# Altium PCB mantarray_beta2_sensor_arrayed.PcbDoc (part 14 of 14)
Units mil, origin at the board's own origin, x right, y up, seen from the top; angles counter-clockwise.
Board outline 6232.47 x 10167.51 mil, 8 copper layers (Layer1_Top, Layer2_sig1, Layer3_AVDD_PLANE, Layer4_GND_PLANE, Layer5_DVDD_PLANE, Layer6_BUS, Layer7_sig2, Layer8_BOT), stack 50.224 mil thick; 470 components, 492 nets, 4650 pads, 3798 vias.
Unrouted connection lines stored in the file: 3.
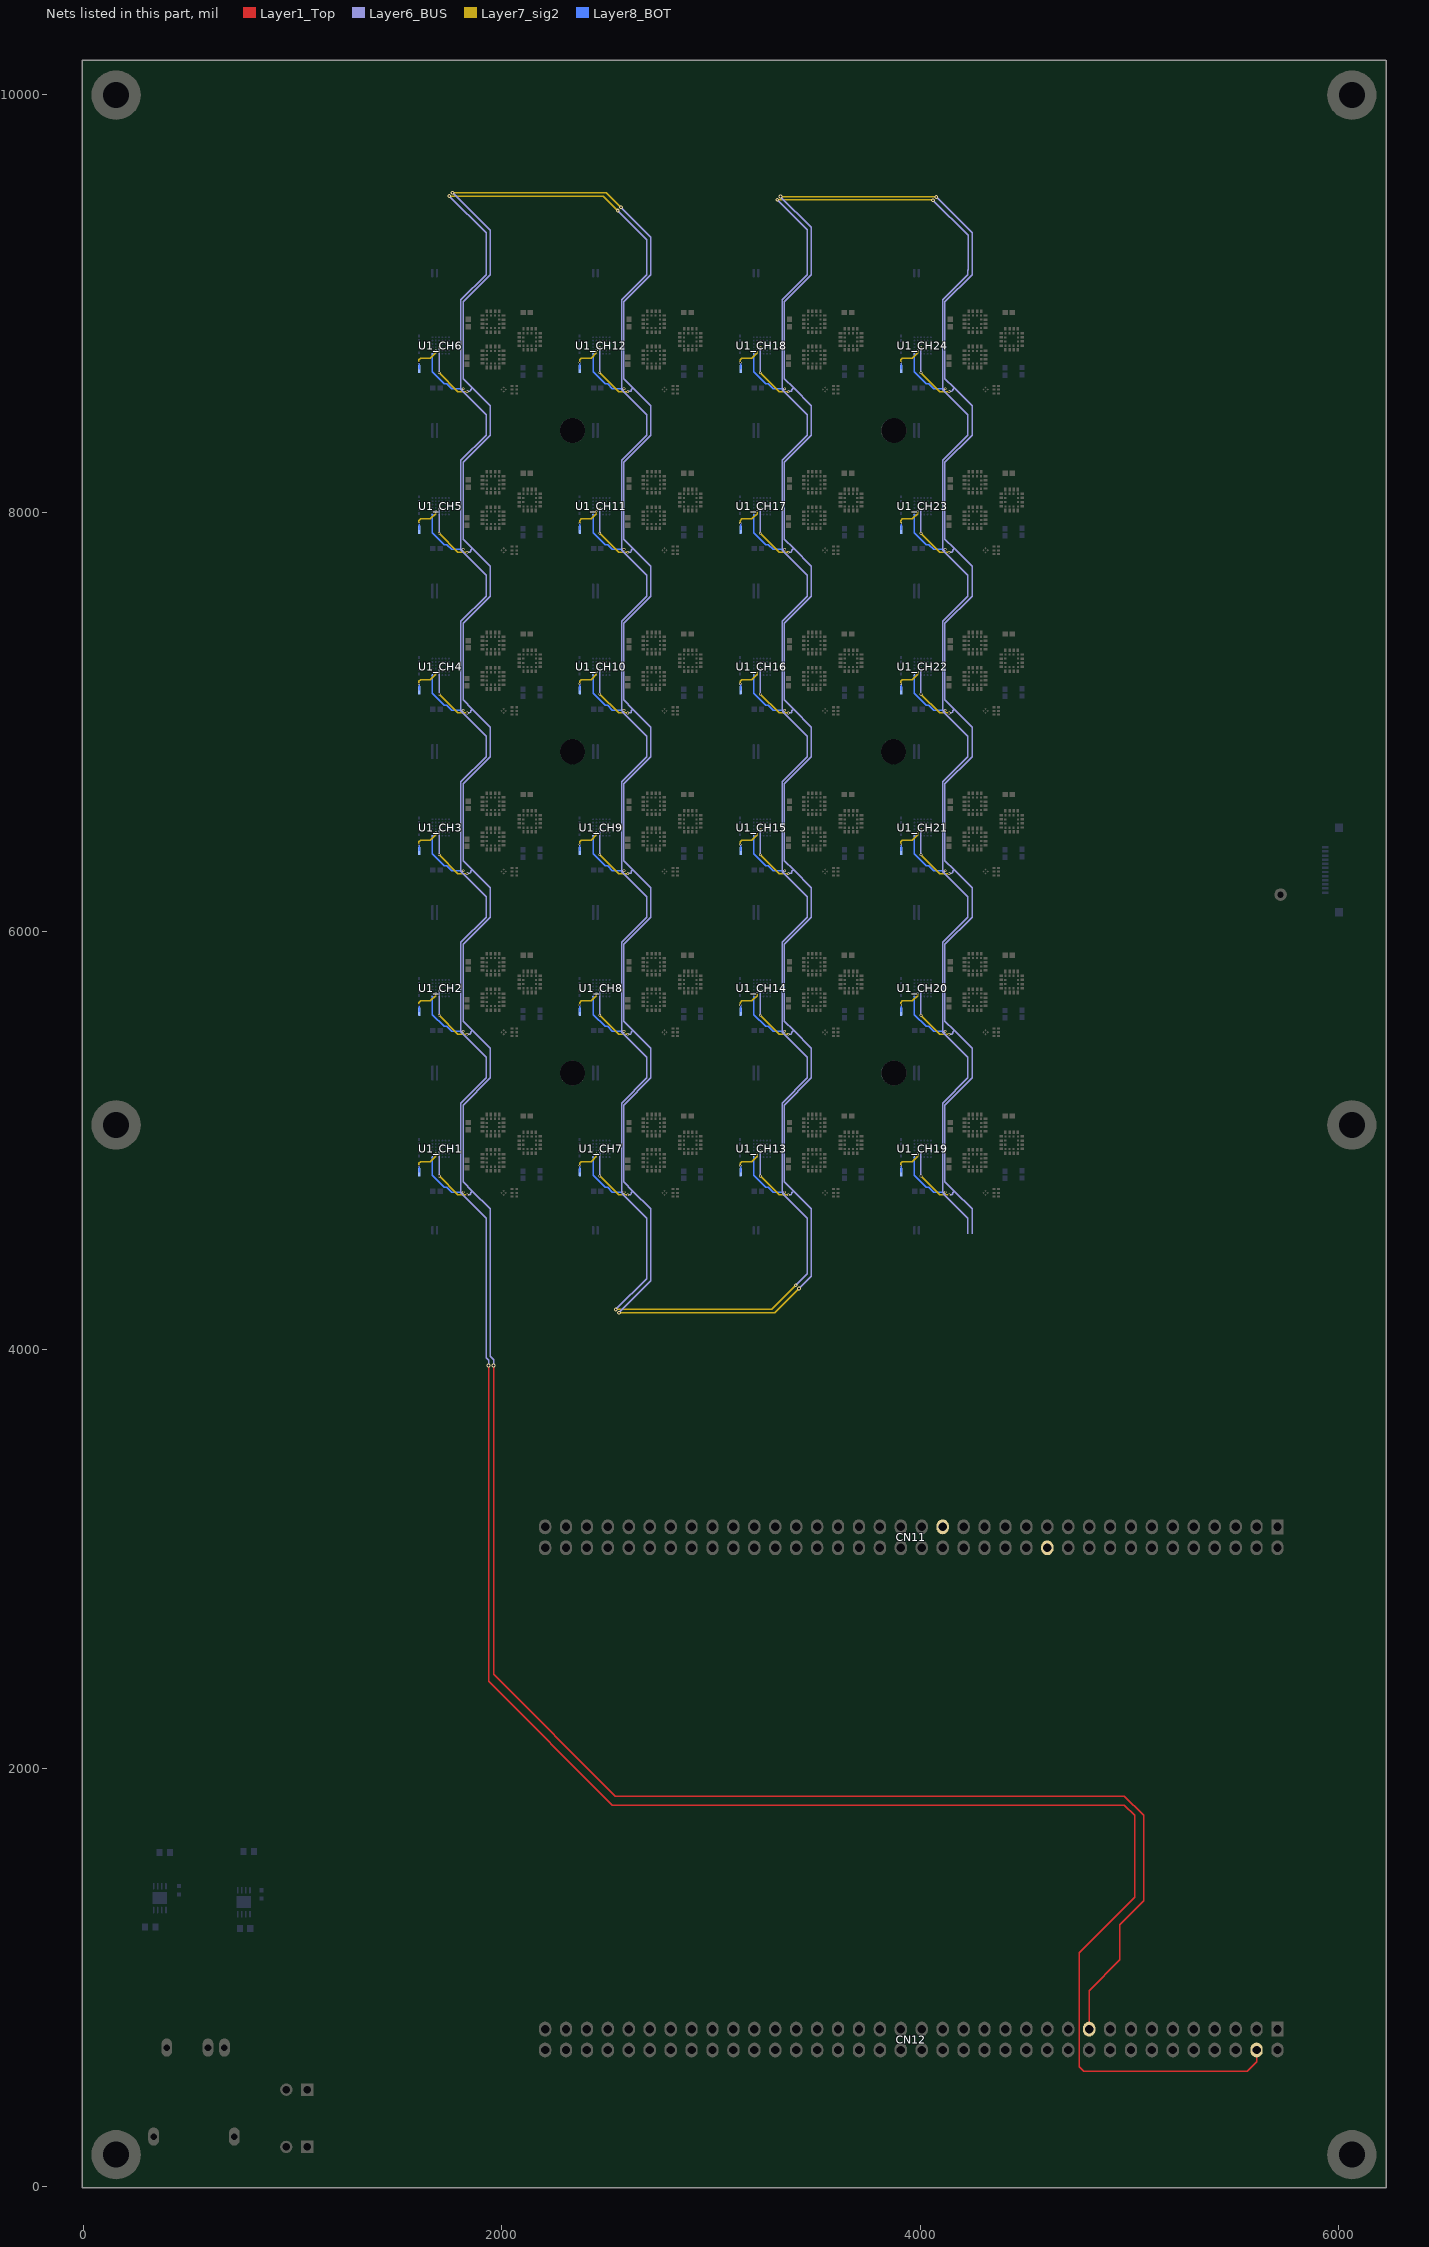
[diagram p20: the nets of this part, all layers, seen from the top]

## Via types
v1: diameter 12/12/12/12/12 (per signal layer), hole 7.87, Layer1_Top to Layer8_BOT, 2208 vias
v2: diameter 32, hole 20, Layer1_Top to Layer8_BOT, 815 vias
v3: diameter 10/10/10/10/10 (per signal layer), hole 7.87, Layer1_Top to Layer8_BOT, 456 vias
v4: diameter 18, hole 8, Layer6_BUS to Layer7_sig2, 102 vias
v5: diameter 10/10 (per signal layer), hole 7.87, Layer7_sig2 to Layer8_BOT, 96 vias
v6: diameter 18, hole 16, Layer1_Top to Layer8_BOT, 57 vias
v7: diameter 12, hole 7.87, Layer1_Top to Layer8_BOT, 26 vias
v8: diameter 18, hole 8, Layer1_Top to Layer8_BOT, 17 vias
v9: diameter 32, hole 16, Layer1_Top to Layer8_BOT, 10 vias
v10: diameter 19.68, hole 7.87, Layer1_Top to Layer8_BOT, 4 vias
v11: diameter 30, hole 20, Layer1_Top to Layer8_BOT, 3 vias
v12: diameter 70.87, hole 47.24, Layer1_Top to Layer8_BOT, 2 vias
v13: diameter 20, hole 16, Layer3_AVDD_PLANE to Layer8_BOT, 1 vias
v14: diameter 20, hole 16, Layer5_DVDD_PLANE to Layer8_BOT, 1 vias

## Nets (pads, with @x,y where several pads share a name; then routed paths per layer and width w, separated by ;. In a path a pad name is that pad's centre, name@x,y a point inside that pad or via, vN(x,y) a via of type N, cw(c..) or ccw(c..) an arc to the next point about the centre after c; other vN are vias at no path point) (continued)
TIMER_SYNC_0: CN12.4 pad.5@1925.2,4557.09 pad.5@1925.2,5320.87 pad.5@1925.2,5324.8 pad.5@1925.2,6088.58 pad.5@1925.2,6092.52 pad.5@1925.2,6856.3 pad.5@1925.2,6860.24 pad.5@1925.2,7624.02 pad.5@1925.2,7627.95 pad.5@1925.2,8391.73 pad.5@1925.2,8395.67 pad.5@1925.2,9159.45 pad.5@2692.91,4557.09 pad.5@2692.91,5320.87 pad.5@2692.91,5324.8 pad.5@2692.91,6088.58 pad.5@2692.91,6092.52 pad.5@2692.91,6856.3 pad.5@2692.91,6860.24 pad.5@2692.91,7624.02 pad.5@2692.91,7627.95 pad.5@2692.91,8391.73 pad.5@2692.91,8395.67 pad.5@2692.91,9159.45 pad.5@3460.63,4557.09 pad.5@3460.63,5320.87 pad.5@3460.63,5324.8 pad.5@3460.63,6088.58 pad.5@3460.63,6092.52 pad.5@3460.63,6856.3 pad.5@3460.63,6860.24 pad.5@3460.63,7624.02 pad.5@3460.63,7627.95 pad.5@3460.63,8391.73 pad.5@3460.63,8395.67 pad.5@3460.63,9159.45 pad.5@4228.35,4557.09 pad.5@4228.35,5320.87 pad.5@4228.35,5324.8 pad.5@4228.35,6088.58 pad.5@4228.35,6092.52 pad.5@4228.35,6856.3 pad.5@4228.35,6860.24 pad.5@4228.35,7624.02 pad.5@4228.35,7627.95 pad.5@4228.35,8391.73 pad.5@4228.35,8395.67 pad.5@4228.35,9159.45 U1_CH1.F6 U1_CH2.F6 U1_CH3.F6 U1_CH4.F6 U1_CH5.F6 U1_CH6.F6 U1_CH7.F6 U1_CH8.F6 U1_CH9.F6 U1_CH10.F6 U1_CH11.F6 U1_CH12.F6 U1_CH13.F6 U1_CH14.F6 U1_CH15.F6 U1_CH16.F6 U1_CH17.F6 U1_CH18.F6 U1_CH19.F6 U1_CH20.F6 U1_CH21.F6 U1_CH22.F6 U1_CH23.F6 U1_CH24.F6 | length 40010.3
  Layer1_Top w6: v8(1937.29,3925.2) 1937.29,2415.4 2528.36,1824.33 4976.38,1824.33 5025.12,1775.59 5026.01,1775.59 5026.01,1384.28 4759.84,1118.11 4759.84,574.8 4781.5,553.15 5562.99,553.15 5607.48,597.64 CN12.4@5607.48,653.94
  Layer6_BUS w6: v4(1749.86,9513.64) 1925.2,9338.3 pad.5@1925.2,9159.45 ; v1(1816.93,4753.94) 1810.04,4747.05 1808.07,4747.05 ; v1(1816.93,5521.65) 1810.04,5514.76 1808.07,5514.76 ; v1(1816.93,6289.37) 1810.04,6282.48 1808.07,6282.48 ; v1(1816.93,7057.09) 1810.04,7050.2 1808.07,7050.2 ; v1(1816.93,7824.8) 1810.04,7817.91 1808.07,7817.91 ; v1(1816.93,8592.52) 1810.04,8585.63 1808.07,8585.63 ; pad.5@1925.2,4555.12 1925.2,4629.92 1808.07,4747.05 ; pad.5@1925.2,4557.09 1925.2,3962.6 1937.29,3950.5 v8(1937.29,3925.2) ; pad.5@1925.2,9161.42 pad.5@1925.2,9159.45 ; v4(2545.14,4193.05) 2692.91,4340.83 pad.5@2692.91,4557.09 ; v4(2554.41,9444.17) 2692.91,9305.67 pad.5@2692.91,9159.45 ; v1(2584.65,4753.94) 2577.76,4747.05 2575.79,4747.05 ; v1(2584.65,5521.65) 2577.76,5514.76 2575.79,5514.76 ; v1(2584.65,6289.37) 2577.76,6282.48 2575.79,6282.48 ; v1(2584.65,7057.09) 2577.76,7050.2 2575.79,7050.2 ; v1(2584.65,7824.8) 2577.76,7817.91 2575.79,7817.91 ; v1(2584.65,8592.52) 2577.76,8585.63 2575.79,8585.63 ; pad.5@2692.91,4555.12 2692.91,4629.92 2575.79,4747.05 ; pad.5@2692.91,9161.42 pad.5@2692.91,9159.45 ; v4(3316.79,9495.92) 3460.63,9352.08 pad.5@3460.63,9159.45 ; v1(3352.36,4753.94) 3345.47,4747.05 3343.5,4747.05 ; v1(3352.36,5521.65) 3345.47,5514.76 3343.5,5514.76 ; v1(3352.36,6289.37) 3345.47,6282.48 3343.5,6282.48 ; v1(3352.36,7057.09) 3345.47,7050.2 3343.5,7050.2 ; v1(3352.36,7824.8) 3345.47,7817.91 3343.5,7817.91 ; v1(3352.36,8592.52) 3345.47,8585.63 3343.5,8585.63 ; v4(3405.79,4308.78) 3460.63,4363.63 pad.5@3460.63,4557.09 ; pad.5@3460.63,4555.12 3460.63,4629.92 3343.5,4747.05 ; pad.5@3460.63,9161.42 pad.5@3460.63,9159.45 ; v4(4060.88,9493.95) 4228.63,9326.21 pad.5@4228.63,9159.73 ; v1(4120.08,4753.94) 4113.19,4747.05 4111.22,4747.05 ; v1(4120.08,5521.65) 4113.19,5514.76 4111.22,5514.76 ; v1(4120.08,6289.37) 4113.19,6282.48 4111.22,6282.48 ; v1(4120.08,7057.09) 4113.19,7050.2 4111.22,7050.2 ; v1(4120.08,7824.8) 4113.19,7817.91 4111.22,7817.91 ; v1(4120.08,8592.52) 4113.19,8585.63 4111.22,8585.63 ; pad.5@4228.35,4555.12 4228.35,4629.92 4111.22,4747.05 ; pad.5@4228.35,9161.42 pad.5@4228.35,9159.45 4228.35,9137.8 4108.43,9017.87 4108.43,8588.43 4111.22,8585.63 ; 1808.07,4747.05 1805.28,4749.84 1805.28,5179.29 1925.2,5299.21 pad.5@1925.2,5320.87 1925.2,5322.83 1925.2,5397.64 1808.07,5514.76 ; 1808.07,5514.76 1805.28,5517.56 1805.28,5947.01 1925.2,6066.93 pad.5@1925.2,6088.58 1925.2,6090.55 1925.2,6165.35 1808.07,6282.48 ; 1808.07,6282.48 1805.28,6285.28 1805.28,6714.72 1925.2,6834.65 pad.5@1925.2,6856.3 1925.2,6858.27 1925.2,6933.07 1808.07,7050.2 ; 1808.07,7050.2 1805.28,7052.99 1805.28,7482.44 1925.2,7602.36 pad.5@1925.2,7624.02 1925.2,7625.98 1925.2,7700.79 1808.07,7817.91 ; 1808.07,7817.91 1805.28,7820.71 1805.28,8250.16 1925.2,8370.08 pad.5@1925.2,8391.73 1925.2,8393.7 1925.2,8468.5 1808.07,8585.63 ; 1808.07,8585.63 1805.28,8588.43 1805.28,9017.87 1925.2,9137.8 pad.5@1925.2,9159.45 ; 2575.79,4747.05 2572.99,4749.84 2572.99,5179.29 2692.91,5299.21 pad.5@2692.91,5320.87 2692.91,5322.83 2692.91,5397.64 2575.79,5514.76 ; 2575.79,5514.76 2572.99,5517.56 2572.99,5947.01 2692.91,6066.93 pad.5@2692.91,6088.58 2692.91,6090.55 2692.91,6165.35 2575.79,6282.48 ; 2575.79,6282.48 2572.99,6285.28 2572.99,6714.72 2692.91,6834.65 pad.5@2692.91,6856.3 2692.91,6858.27 2692.91,6933.07 2575.79,7050.2 ; 2575.79,7050.2 2572.99,7052.99 2572.99,7482.44 2692.91,7602.36 pad.5@2692.91,7624.02 2692.91,7625.98 2692.91,7700.79 2575.79,7817.91 ; 2575.79,7817.91 2572.99,7820.71 2572.99,8250.16 2692.91,8370.08 pad.5@2692.91,8391.73 2692.91,8393.7 2692.91,8468.5 2575.79,8585.63 ; 2575.79,8585.63 2572.99,8588.43 2572.99,9017.87 2692.91,9137.8 pad.5@2692.91,9159.45 ; 3343.5,4747.05 3340.71,4749.84 3340.71,5179.29 3460.63,5299.21 pad.5@3460.63,5320.87 3460.63,5322.83 3460.63,5397.64 3343.5,5514.76 ; 3343.5,5514.76 3340.71,5517.56 3340.71,5947.01 3460.63,6066.93 pad.5@3460.63,6088.58 3460.63,6090.55 3460.63,6165.35 3343.5,6282.48 ; 3343.5,6282.48 3340.71,6285.28 3340.71,6714.72 3460.63,6834.65 pad.5@3460.63,6856.3 3460.63,6858.27 3460.63,6933.07 3343.5,7050.2 ; 3343.5,7050.2 3340.71,7052.99 3340.71,7482.44 3460.63,7602.36 pad.5@3460.63,7624.02 3460.63,7625.98 3460.63,7700.79 3343.5,7817.91 ; 3343.5,7817.91 3340.71,7820.71 3340.71,8250.16 3460.63,8370.08 pad.5@3460.63,8391.73 3460.63,8393.7 3460.63,8468.5 3343.5,8585.63 ; 3343.5,8585.63 3340.71,8588.43 3340.71,9017.87 3460.63,9137.8 pad.5@3460.63,9159.45 ; 4111.22,4747.05 4108.43,4749.84 4108.43,5179.29 4228.35,5299.21 pad.5@4228.35,5320.87 4228.35,5322.83 4228.35,5397.64 4111.22,5514.76 ; 4111.22,5514.76 4108.43,5517.56 4108.43,5947.01 4228.35,6066.93 pad.5@4228.35,6088.58 4228.35,6090.55 4228.35,6165.35 4111.22,6282.48 ; 4111.22,6282.48 4108.43,6285.28 4108.43,6714.72 4228.35,6834.65 pad.5@4228.35,6856.3 4228.35,6858.27 4228.35,6933.07 4111.22,7050.2 ; 4111.22,7050.2 4108.43,7052.99 4108.43,7482.44 4228.35,7602.36 pad.5@4228.35,7624.02 4228.35,7625.98 4228.35,7700.79 4111.22,7817.91 ; 4111.22,7817.91 4108.43,7820.71 4108.43,8250.16 4228.35,8370.08 pad.5@4228.35,8391.73 4228.35,8393.7 4228.35,8468.5 4111.22,8585.63
  Layer7_sig2 w6: v4(1749.86,9513.64) 1750.3,9513.2 1772.04,9513.2 1772.49,9513.64 2484.94,9513.64 v4(2554.41,9444.17) ; v4(2545.14,4193.05) 2545.58,4193.5 2567.32,4193.5 2567.76,4193.05 3289.51,4193.05 3405.24,4308.78 v4(3405.79,4308.78) ; v4(3316.79,9495.92) 3317.23,9495.48 4059.36,9495.48 v4(4060.88,9493.95)
  Layer8_BOT w6: U1_CH1.F6@1669.29,4921.26 1669.29,4834.65 1726.38,4777.56 1738.19,4777.56 1761.81,4753.94 v1(1816.93,4753.94) ; U1_CH2.F6@1669.29,5688.98 1669.29,5602.36 1726.38,5545.28 1738.19,5545.28 1761.81,5521.65 v1(1816.93,5521.65) ; U1_CH3.F6@1669.29,6456.69 1669.29,6370.08 1726.38,6312.99 1738.19,6312.99 1761.81,6289.37 v1(1816.93,6289.37) ; U1_CH4.F6@1669.29,7224.41 1669.29,7137.8 1726.38,7080.71 1738.19,7080.71 1761.81,7057.09 v1(1816.93,7057.09) ; U1_CH5.F6@1669.29,7992.13 1669.29,7905.51 1726.38,7848.43 1738.19,7848.43 1761.81,7824.8 v1(1816.93,7824.8) ; U1_CH6.F6@1669.29,8759.84 1669.29,8673.23 1726.38,8616.14 1738.19,8616.14 1761.81,8592.52 v1(1816.93,8592.52) ; U1_CH7.F6@2437.01,4921.26 2437.01,4834.65 2494.09,4777.56 2505.91,4777.56 2529.53,4753.94 v1(2584.65,4753.94) ; U1_CH8.F6@2437.01,5688.98 2437.01,5602.36 2494.09,5545.28 2505.91,5545.28 2529.53,5521.65 v1(2584.65,5521.65) ; U1_CH9.F6@2437.01,6456.69 2437.01,6370.08 2494.09,6312.99 2505.91,6312.99 2529.53,6289.37 v1(2584.65,6289.37) ; U1_CH10.F6@2437.01,7224.41 2437.01,7137.8 2494.09,7080.71 2505.91,7080.71 2529.53,7057.09 v1(2584.65,7057.09) ; U1_CH11.F6@2437.01,7992.13 2437.01,7905.51 2494.09,7848.43 2505.91,7848.43 2529.53,7824.8 v1(2584.65,7824.8) ; U1_CH12.F6@2437.01,8759.84 2437.01,8673.23 2494.09,8616.14 2505.91,8616.14 2529.53,8592.52 v1(2584.65,8592.52) ; U1_CH13.F6@3204.72,4921.26 3204.72,4834.65 3261.81,4777.56 3273.62,4777.56 3297.24,4753.94 v1(3352.36,4753.94) ; U1_CH14.F6@3204.72,5688.98 3204.72,5602.36 3261.81,5545.28 3273.62,5545.28 3297.24,5521.65 v1(3352.36,5521.65) ; U1_CH15.F6@3204.72,6456.69 3204.72,6370.08 3261.81,6312.99 3273.62,6312.99 3297.24,6289.37 v1(3352.36,6289.37) ; U1_CH16.F6@3204.72,7224.41 3204.72,7137.8 3261.81,7080.71 3273.62,7080.71 3297.24,7057.09 v1(3352.36,7057.09) ; U1_CH17.F6@3204.72,7992.13 3204.72,7905.51 3261.81,7848.43 3273.62,7848.43 3297.24,7824.8 v1(3352.36,7824.8) ; U1_CH18.F6@3204.72,8759.84 3204.72,8673.23 3261.81,8616.14 3273.62,8616.14 3297.24,8592.52 v1(3352.36,8592.52) ; U1_CH19.F6@3972.44,4921.26 3972.44,4834.65 4029.53,4777.56 4041.34,4777.56 4064.96,4753.94 v1(4120.08,4753.94) ; U1_CH20.F6@3972.44,5688.98 3972.44,5602.36 4029.53,5545.28 4041.34,5545.28 4064.96,5521.65 v1(4120.08,5521.65) ; U1_CH21.F6@3972.44,6456.69 3972.44,6370.08 4029.53,6312.99 4041.34,6312.99 4064.96,6289.37 v1(4120.08,6289.37) ; U1_CH22.F6@3972.44,7224.41 3972.44,7137.8 4029.53,7080.71 4041.34,7080.71 4064.96,7057.09 v1(4120.08,7057.09) ; U1_CH23.F6@3972.44,7992.13 3972.44,7905.51 4029.53,7848.43 4041.34,7848.43 4064.96,7824.8 v1(4120.08,7824.8) ; U1_CH24.F6@3972.44,8759.84 3972.44,8673.23 4029.53,8616.14 4041.34,8616.14 4064.96,8592.52 v1(4120.08,8592.52)
TIMER_SYNC_1: CN12.19 pad.5@1944.88,4557.09 pad.5@1944.88,5320.87 pad.5@1944.88,5324.8 pad.5@1944.88,6088.58 pad.5@1944.88,6092.52 pad.5@1944.88,6856.3 pad.5@1944.88,6860.24 pad.5@1944.88,7624.02 pad.5@1944.88,7627.95 pad.5@1944.88,8391.73 pad.5@1944.88,8395.67 pad.5@1944.88,9159.45 pad.5@2712.6,4557.09 pad.5@2712.6,5320.87 pad.5@2712.6,5324.8 pad.5@2712.6,6088.58 pad.5@2712.6,6092.52 pad.5@2712.6,6856.3 pad.5@2712.6,6860.24 pad.5@2712.6,7624.02 pad.5@2712.6,7627.95 pad.5@2712.6,8391.73 pad.5@2712.6,8395.67 pad.5@2712.6,9159.45 pad.5@3480.32,4557.09 pad.5@3480.32,5320.87 pad.5@3480.32,5324.8 pad.5@3480.32,6088.58 pad.5@3480.32,6092.52 pad.5@3480.32,6856.3 pad.5@3480.32,6860.24 pad.5@3480.32,7624.02 pad.5@3480.32,7627.95 pad.5@3480.32,8391.73 pad.5@3480.32,8395.67 pad.5@3480.32,9159.45 pad.5@4248.03,4557.09 pad.5@4248.03,5320.87 pad.5@4248.03,5324.8 pad.5@4248.03,6088.58 pad.5@4248.03,6092.52 pad.5@4248.03,6856.3 pad.5@4248.03,6860.24 pad.5@4248.03,7624.02 pad.5@4248.03,7627.95 pad.5@4248.03,8391.73 pad.5@4248.03,8395.67 pad.5@4248.03,9159.45 U1_CH1.D4 U1_CH2.D4 U1_CH3.D4 U1_CH4.D4 U1_CH5.D4 U1_CH6.D4 U1_CH7.D4 U1_CH8.D4 U1_CH9.D4 U1_CH10.D4 U1_CH11.D4 U1_CH12.D4 U1_CH13.D4 U1_CH14.D4 U1_CH15.D4 U1_CH16.D4 U1_CH17.D4 U1_CH18.D4 U1_CH19.D4 U1_CH20.D4 U1_CH21.D4 U1_CH22.D4 U1_CH23.D4 U1_CH24.D4 | length 40441.3
  Layer1_Top w6: v8(1961.01,3925.2) 1961.01,2450.28 2543.56,1867.73 4976.38,1867.73 5066.55,1777.56 5069.32,1777.56 5069.32,1366.56 4954.72,1251.97 4954.72,1084.65 4807.48,937.4 CN12.19@4807.48,753.94
  Layer6_BUS w6: v1(1700.79,4830.71) v3(1700.79,4952.76) ; v1(1700.79,5598.43) v3(1700.79,5720.47) ; v1(1700.79,6366.14) v3(1700.79,6488.19) ; v1(1700.79,7133.86) v3(1700.79,7255.91) ; v1(1700.79,7901.57) v3(1700.79,8023.62) ; v1(1700.79,8669.29) v3(1700.79,8791.34) ; v4(1765.42,9529.2) 1944.88,9349.73 pad.5@1944.88,9159.45 1944.88,9161.42 1944.88,9137.8 1815.28,9008.19 1815.28,8641.42 1859.53,8597.16 ; v1(1834.65,4740.16) 1835.76,4741.27 1847.99,4741.27 1851.51,4744.78 1851.51,4750.55 1859.53,4758.58 ; v1(1834.65,5507.87) 1835.76,5508.99 1847.99,5508.99 1851.51,5512.5 1851.51,5518.27 1859.53,5526.29 ; v1(1834.65,6275.59) 1835.76,6276.7 1847.99,6276.7 1851.51,6280.22 1851.51,6285.98 1859.53,6294.01 ; v1(1834.65,7043.31) 1835.76,7044.42 1847.99,7044.42 1851.51,7047.93 1851.51,7053.7 1859.53,7061.73 ; v1(1834.65,7811.02) 1835.76,7812.14 1847.99,7812.14 1851.51,7815.65 1851.51,7821.42 1859.53,7829.44 ; v1(1834.65,8578.74) 1835.76,8579.85 1847.99,8579.85 1851.51,8583.37 1851.51,8589.13 1859.53,8597.16 ; pad.5@1944.88,4555.12 1944.88,4673.23 1859.53,4758.58 ; pad.5@1944.88,4557.09 1944.88,3968.89 1961.01,3952.77 v8(1961.01,3925.2) ; pad.5@1944.88,5320.87 pad.5@1944.88,5322.83 ; pad.5@1944.88,6088.58 pad.5@1944.88,6090.55 ; pad.5@1944.88,6856.3 pad.5@1944.88,6858.27 ; pad.5@1944.88,7624.02 pad.5@1944.88,7625.98 ; pad.5@1944.88,8391.73 pad.5@1944.88,8393.7 ; v1(2468.5,4830.71) v3(2468.5,4952.76) ; v1(2468.5,5598.43) v3(2468.5,5720.47) ; v1(2468.5,6366.14) v3(2468.5,6488.19) ; v1(2468.5,7133.86) v3(2468.5,7255.91) ; v1(2468.5,7901.57) v3(2468.5,8023.62) ; v1(2468.5,8669.29) v3(2468.5,8791.34) ; v4(2560.69,4177.5) 2712.6,4329.4 pad.5@2712.6,4557.09 ; v4(2569.96,9459.73) 2712.6,9317.09 pad.5@2712.6,9159.45 2712.6,9161.42 2712.6,9137.8 2582.99,9008.19 2582.99,8641.42 2627.25,8597.16 ; v1(2602.36,4740.16) 2603.47,4741.27 2615.71,4741.27 2619.23,4744.78 2619.23,4750.55 2627.25,4758.58 ; v1(2602.36,5507.87) 2603.47,5508.99 2615.71,5508.99 2619.23,5512.5 2619.23,5518.27 2627.25,5526.29 ; v1(2602.36,6275.59) 2603.47,6276.7 2615.71,6276.7 2619.23,6280.22 2619.23,6285.98 2627.25,6294.01 ; v1(2602.36,7043.31) 2603.47,7044.42 2615.71,7044.42 2619.23,7047.93 2619.23,7053.7 2627.25,7061.73 ; v1(2602.36,7811.02) 2603.47,7812.14 2615.71,7812.14 2619.23,7815.65 2619.23,7821.42 2627.25,7829.44 ; v1(2602.36,8578.74) 2603.47,8579.85 2615.71,8579.85 2619.23,8583.37 2619.23,8589.13 2627.25,8597.16 ; pad.5@2712.6,4555.12 2712.6,4673.23 2627.25,4758.58 ; pad.5@2712.6,5320.87 pad.5@2712.6,5322.83 ; pad.5@2712.6,6088.58 pad.5@2712.6,6090.55 ; pad.5@2712.6,6856.3 pad.5@2712.6,6858.27 ; pad.5@2712.6,7624.02 pad.5@2712.6,7625.98 ; pad.5@2712.6,8391.73 pad.5@2712.6,8393.7 ; v1(3236.22,4830.71) v3(3236.22,4952.76) ; v1(3236.22,5598.43) v3(3236.22,5720.47) ; v1(3236.22,6366.14) v3(3236.22,6488.19) ; v1(3236.22,7133.86) v3(3236.22,7255.91) ; v1(3236.22,7901.57) v3(3236.22,8023.62) ; v1(3236.22,8669.29) v3(3236.22,8791.34) ; v4(3332.34,9511.48) 3480.32,9363.51 pad.5@3480.32,9159.45 3480.32,9161.42 3480.32,9137.8 3350.71,9008.19 3350.71,8641.42 3394.97,8597.16 ; v1(3370.08,4740.16) 3371.19,4741.27 3383.43,4741.27 3386.94,4744.78 3386.94,4750.55 3394.97,4758.58 ; v1(3370.08,5507.87) 3371.19,5508.99 3383.43,5508.99 3386.94,5512.5 3386.94,5518.27 3394.97,5526.29 ; v1(3370.08,6275.59) 3371.19,6276.7 3383.43,6276.7 3386.94,6280.22 3386.94,6285.98 3394.97,6294.01 ; v1(3370.08,7043.31) 3371.19,7044.42 3383.43,7044.42 3386.94,7047.93 3386.94,7053.7 3394.97,7061.73 ; v1(3370.08,7811.02) 3371.19,7812.14 3383.43,7812.14 3386.94,7815.65 3386.94,7821.42 3394.97,7829.44 ; v1(3370.08,8578.74) 3371.19,8579.85 3383.43,8579.85 3386.94,8583.37 3386.94,8589.13 3394.97,8597.16 ; v4(3421.34,4293.22) 3480.32,4352.2 pad.5@3480.32,4557.09 ; pad.5@3480.32,4555.12 3480.32,4673.23 3394.97,4758.58 ; pad.5@3480.32,5320.87 pad.5@3480.32,5322.83 ; pad.5@3480.32,6088.58 pad.5@3480.32,6090.55 ; pad.5@3480.32,6856.3 pad.5@3480.32,6858.27 ; pad.5@3480.32,7624.02 pad.5@3480.32,7625.98 ; pad.5@3480.32,8391.73 pad.5@3480.32,8393.7 ; v1(4003.94,4830.71) v3(4003.94,4952.76) ; v1(4003.94,5598.43) v3(4003.94,5720.47) ; v1(4003.94,6366.14) v3(4003.94,6488.19) ; v1(4003.94,7133.86) v3(4003.94,7255.91) ; v1(4003.94,7901.57) v3(4003.94,8023.62) ; v1(4003.94,8669.29) v3(4003.94,8791.34) ; v4(4076.44,9509.51) 4248.41,9337.54 pad.5@4248.41,9159.83 ; v1(4137.8,4740.16) 4138.91,4741.27 4151.14,4741.27 4154.66,4744.78 4154.66,4750.55 4162.68,4758.58 ; v1(4137.8,5507.87) 4138.91,5508.99 4151.14,5508.99 4154.66,5512.5 4154.66,5518.27 4162.68,5526.29 ; v1(4137.8,6275.59) 4138.91,6276.7 4151.14,6276.7 4154.66,6280.22 4154.66,6285.98 4162.68,6294.01 ; v1(4137.8,7043.31) 4138.91,7044.42 4151.14,7044.42 4154.66,7047.93 4154.66,7053.7 4162.68,7061.73 ; v1(4137.8,7811.02) 4138.91,7812.14 4151.14,7812.14 4154.66,7815.65 4154.66,7821.42 4162.68,7829.44 ; v1(4137.8,8578.74) 4138.91,8579.85 4151.14,8579.85 4154.66,8583.37 4154.66,8589.13 4162.68,8597.16 ; pad.5@4248.03,4555.12 4248.03,4673.23 4162.68,4758.58 ; pad.5@4248.03,5320.87 pad.5@4248.03,5322.83 ; pad.5@4248.03,6088.58 pad.5@4248.03,6090.55 ; pad.5@4248.03,6856.3 pad.5@4248.03,6858.27 ; pad.5@4248.03,7624.02 pad.5@4248.03,7625.98 ; pad.5@4248.03,8391.73 pad.5@4248.03,8393.7 ; pad.5@4248.03,9159.45 4248.03,9161.42 4248.03,9137.8 4118.43,9008.19 4118.43,8641.42 4162.68,8597.16 ; 1859.53,4758.58 1815.28,4802.83 1815.28,5169.61 1944.88,5299.21 pad.5@1944.88,5322.83 ; 1859.53,5526.29 1815.28,5570.55 1815.28,5937.32 1944.88,6066.93 pad.5@1944.88,6090.55 ; 1859.53,5526.29 1944.88,5440.95 pad.5@1944.88,5322.83 ; 1859.53,6294.01 1944.88,6208.66 pad.5@1944.88,6090.55 ; 1859.53,6294.01 1815.28,6338.27 1815.28,6705.04 1944.88,6834.65 pad.5@1944.88,6858.27 ; 1859.53,7061.73 1944.88,6976.38 pad.5@1944.88,6858.27 ; 1859.53,7061.73 1815.28,7105.98 1815.28,7472.76 1944.88,7602.36 pad.5@1944.88,7625.98 ; 1859.53,7829.44 1944.88,7744.09 pad.5@1944.88,7625.98 ; 1859.53,7829.44 1815.28,7873.7 1815.28,8240.47 1944.88,8370.08 pad.5@1944.88,8393.7 ; 1859.53,8597.16 1944.88,8511.81 pad.5@1944.88,8393.7 ; 2627.25,4758.58 2582.99,4802.83 2582.99,5169.61 2712.6,5299.21 pad.5@2712.6,5322.83 ; 2627.25,5526.29 2712.6,5440.95 pad.5@2712.6,5322.83 ; 2627.25,5526.29 2582.99,5570.55 2582.99,5937.32 2712.6,6066.93 pad.5@2712.6,6090.55 ; 2627.25,6294.01 2712.6,6208.66 pad.5@2712.6,6090.55 ; 2627.25,6294.01 2582.99,6338.27 2582.99,6705.04 2712.6,6834.65 pad.5@2712.6,6858.27 ; 2627.25,7061.73 2712.6,6976.38 pad.5@2712.6,6858.27 ; 2627.25,7061.73 2582.99,7105.98 2582.99,7472.76 2712.6,7602.36 pad.5@2712.6,7625.98 ; 2627.25,7829.44 2712.6,7744.09 pad.5@2712.6,7625.98 ; 2627.25,7829.44 2582.99,7873.7 2582.99,8240.47 2712.6,8370.08 pad.5@2712.6,8393.7 ; 2627.25,8597.16 2712.6,8511.81 pad.5@2712.6,8393.7 ; 3394.97,4758.58 3350.71,4802.83 3350.71,5169.61 3480.32,5299.21 pad.5@3480.32,5322.83 ; 3394.97,5526.29 3480.32,5440.95 pad.5@3480.32,5322.83 ; 3394.97,5526.29 3350.71,5570.55 3350.71,5937.32 3480.32,6066.93 pad.5@3480.32,6090.55 ; 3394.97,6294.01 3480.32,6208.66 pad.5@3480.32,6090.55 ; 3394.97,6294.01 3350.71,6338.27 3350.71,6705.04 3480.32,6834.65 pad.5@3480.32,6858.27 ; 3394.97,7061.73 3480.32,6976.38 pad.5@3480.32,6858.27 ; 3394.97,7061.73 3350.71,7105.98 3350.71,7472.76 3480.32,7602.36 pad.5@3480.32,7625.98 ; 3394.97,7829.44 3480.32,7744.09 pad.5@3480.32,7625.98 ; 3394.97,7829.44 3350.71,7873.7 3350.71,8240.47 3480.32,8370.08 pad.5@3480.32,8393.7 ; 3394.97,8597.16 3480.32,8511.81 pad.5@3480.32,8393.7 ; 4162.68,4758.58 4118.43,4802.83 4118.43,5169.61 4248.03,5299.21 pad.5@4248.03,5322.83 ; 4162.68,5526.29 4248.03,5440.95 pad.5@4248.03,5322.83 ; 4162.68,5526.29 4118.43,5570.55 4118.43,5937.32 4248.03,6066.93 pad.5@4248.03,6090.55 ; 4162.68,6294.01 4248.03,6208.66 pad.5@4248.03,6090.55 ; 4162.68,6294.01 4118.43,6338.27 4118.43,6705.04 4248.03,6834.65 pad.5@4248.03,6858.27 ; 4162.68,7061.73 4248.03,6976.38 pad.5@4248.03,6858.27 ; 4162.68,7061.73 4118.43,7105.98 4118.43,7472.76 4248.03,7602.36 pad.5@4248.03,7625.98 ; 4162.68,7829.44 4248.03,7744.09 pad.5@4248.03,7625.98 ; 4162.68,7829.44 4118.43,7873.7 4118.43,8240.47 4248.03,8370.08 pad.5@4248.03,8393.7 ; 4162.68,8597.16 4248.03,8511.81 pad.5@4248.03,8393.7
  Layer7_sig2 w6: v1(1700.79,4830.71) 1791.34,4740.16 v1(1834.65,4740.16) ; v1(1700.79,5598.43) 1791.34,5507.87 v1(1834.65,5507.87) ; v1(1700.79,6366.14) 1791.34,6275.59 v1(1834.65,6275.59) ; v1(1700.79,7133.86) 1791.34,7043.31 v1(1834.65,7043.31) ; v1(1700.79,7901.57) 1791.34,7811.02 v1(1834.65,7811.02) ; v1(1700.79,8669.29) 1791.34,8578.74 v1(1834.65,8578.74) ; v4(1765.42,9529.2) 1765.86,9528.75 1787.6,9528.75 1788.04,9529.2 2500.5,9529.2 v4(2569.96,9459.73) ; v1(2468.5,4830.71) 2559.06,4740.16 v1(2602.36,4740.16) ; v1(2468.5,5598.43) 2559.06,5507.87 v1(2602.36,5507.87) ; v1(2468.5,6366.14) 2559.06,6275.59 v1(2602.36,6275.59) ; v1(2468.5,7133.86) 2559.06,7043.31 v1(2602.36,7043.31) ; v1(2468.5,7901.57) 2559.06,7811.02 v1(2602.36,7811.02) ; v1(2468.5,8669.29) 2559.06,8578.74 v1(2602.36,8578.74) ; v4(2560.69,4177.5) 2561.14,4177.94 2582.88,4177.94 2583.32,4177.5 3305.61,4177.5 v4(3421.34,4293.22) ; v1(3236.22,4830.71) 3326.77,4740.16 v1(3370.08,4740.16) ; v1(3236.22,5598.43) 3326.77,5507.87 v1(3370.08,5507.87) ; v1(3236.22,6366.14) 3326.77,6275.59 v1(3370.08,6275.59) ; v1(3236.22,7133.86) 3326.77,7043.31 v1(3370.08,7043.31) ; v1(3236.22,7901.57) 3326.77,7811.02 v1(3370.08,7811.02) ; v1(3236.22,8669.29) 3326.77,8578.74 v1(3370.08,8578.74) ; v4(3332.34,9511.48) 3332.79,9511.04 4074.91,9511.04 v4(4076.44,9509.51) ; v1(4003.94,4830.71) 4094.49,4740.16 v1(4137.8,4740.16) ; v1(4003.94,5598.43) 4094.49,5507.87 v1(4137.8,5507.87) ; v1(4003.94,6366.14) 4094.49,6275.59 v1(4137.8,6275.59) ; v1(4003.94,7133.86) 4094.49,7043.31 v1(4137.8,7043.31) ; v1(4003.94,7901.57) 4094.49,7811.02 v1(4137.8,7811.02) ; v1(4003.94,8669.29) 4094.49,8578.74 v1(4137.8,8578.74)
uart1_tx_tp_CH1: pad.2@1606.3,4848.43 U1_CH1.E5 | length 150.2
  Layer7_sig2 w6: v3(1604.68,4879.92) 1604.68,4892.08 1612.2,4899.61 1659.45,4899.61 1685.04,4925.2 v3(1685.04,4937.01)
  Layer8_BOT w6: v3(1604.68,4879.92) 1604.68,4878.84 1606.3,4877.22 pad.2@1606.3,4848.43
uart1_tx_tp_CH2: pad.2@1606.3,5616.14 U1_CH2.E5 | length 150.2
  Layer7_sig2 w6: v3(1604.68,5647.64) 1604.68,5659.8 1612.2,5667.32 1659.45,5667.32 1685.04,5692.91 v3(1685.04,5704.72)
  Layer8_BOT w6: v3(1604.68,5647.64) 1604.68,5646.56 1606.3,5644.93 pad.2@1606.3,5616.14
uart1_tx_tp_CH3: pad.2@1606.3,6383.86 U1_CH3.E5 | length 150.2
  Layer7_sig2 w6: v3(1604.68,6415.35) 1604.68,6427.51 1612.2,6435.04 1659.45,6435.04 1685.04,6460.63 v3(1685.04,6472.44)
  Layer8_BOT w6: v3(1604.68,6415.35) 1604.68,6414.27 1606.3,6412.65 pad.2@1606.3,6383.86
uart1_tx_tp_CH4: pad.2@1606.3,7151.57 U1_CH4.E5 | length 150.2
  Layer7_sig2 w6: v3(1604.68,7183.07) 1604.68,7195.23 1612.2,7202.76 1659.45,7202.76 1685.04,7228.35 v3(1685.04,7240.16)
  Layer8_BOT w6: v3(1604.68,7183.07) 1604.68,7181.99 1606.3,7180.37 pad.2@1606.3,7151.57
uart1_tx_tp_CH5: pad.2@1606.3,7919.29 U1_CH5.E5 | length 150.2
  Layer7_sig2 w6: v3(1604.68,7950.79) 1604.68,7962.94 1612.2,7970.47 1659.45,7970.47 1685.04,7996.06 v3(1685.04,8007.87)
  Layer8_BOT w6: v3(1604.68,7950.79) 1604.68,7949.7 1606.3,7948.08 pad.2@1606.3,7919.29
uart1_tx_tp_CH6: pad.2@1606.3,8687.01 U1_CH6.E5 | length 150.2
  Layer7_sig2 w6: v3(1604.68,8718.5) 1604.68,8730.66 1612.2,8738.19 1659.45,8738.19 1685.04,8763.78 v3(1685.04,8775.59)
  Layer8_BOT w6: v3(1604.68,8718.5) 1604.68,8717.42 1606.3,8715.8 pad.2@1606.3,8687.01
uart1_tx_tp_CH7: pad.2@2374.02,4848.43 U1_CH7.E5 | length 150.2
  Layer7_sig2 w6: v3(2372.39,4879.92) 2372.39,4892.08 2379.92,4899.61 2427.17,4899.61 2452.76,4925.2 v3(2452.76,4937.01)
  Layer8_BOT w6: v3(2372.39,4879.92) 2372.39,4878.84 2374.02,4877.22 pad.2@2374.02,4848.43
uart1_tx_tp_CH8: pad.2@2374.02,5616.14 U1_CH8.E5 | length 150.2
  Layer7_sig2 w6: v3(2372.39,5647.64) 2372.39,5659.8 2379.92,5667.32 2427.17,5667.32 2452.76,5692.91 v3(2452.76,5704.72)
  Layer8_BOT w6: v3(2372.39,5647.64) 2372.39,5646.56 2374.02,5644.93 pad.2@2374.02,5616.14
uart1_tx_tp_CH9: pad.2@2374.02,6383.86 U1_CH9.E5 | length 150.2
  Layer7_sig2 w6: v3(2372.39,6415.35) 2372.39,6427.51 2379.92,6435.04 2427.17,6435.04 2452.76,6460.63 v3(2452.76,6472.44)
  Layer8_BOT w6: v3(2372.39,6415.35) 2372.39,6414.27 2374.02,6412.65 pad.2@2374.02,6383.86
uart1_tx_tp_CH10: pad.2@2374.02,7151.57 U1_CH10.E5 | length 150.2
  Layer7_sig2 w6: v3(2372.39,7183.07) 2372.39,7195.23 2379.92,7202.76 2427.17,7202.76 2452.76,7228.35 v3(2452.76,7240.16)
  Layer8_BOT w6: v3(2372.39,7183.07) 2372.39,7181.99 2374.02,7180.37 pad.2@2374.02,7151.57
uart1_tx_tp_CH11: pad.2@2374.02,7919.29 U1_CH11.E5 | length 150.2
  Layer7_sig2 w6: v3(2372.39,7950.79) 2372.39,7962.94 2379.92,7970.47 2427.17,7970.47 2452.76,7996.06 v3(2452.76,8007.87)
  Layer8_BOT w6: v3(2372.39,7950.79) 2372.39,7949.7 2374.02,7948.08 pad.2@2374.02,7919.29
uart1_tx_tp_CH12: pad.2@2374.02,8687.01 U1_CH12.E5 | length 150.2
  Layer7_sig2 w6: v3(2372.39,8718.5) 2372.39,8730.66 2379.92,8738.19 2427.17,8738.19 2452.76,8763.78 v3(2452.76,8775.59)
  Layer8_BOT w6: v3(2372.39,8718.5) 2372.39,8717.42 2374.02,8715.8 pad.2@2374.02,8687.01
uart1_tx_tp_CH13: pad.2@3141.73,4848.43 U1_CH13.E5 | length 150.2
  Layer7_sig2 w6: v3(3140.11,4879.92) 3140.11,4892.08 3147.64,4899.61 3194.88,4899.61 3220.47,4925.2 v3(3220.47,4937.01)
  Layer8_BOT w6: v3(3140.11,4879.92) 3140.11,4878.84 3141.73,4877.22 pad.2@3141.73,4848.43
uart1_tx_tp_CH14: pad.2@3141.73,5616.14 U1_CH14.E5 | length 150.2
  Layer7_sig2 w6: v3(3140.11,5647.64) 3140.11,5659.8 3147.64,5667.32 3194.88,5667.32 3220.47,5692.91 v3(3220.47,5704.72)
  Layer8_BOT w6: v3(3140.11,5647.64) 3140.11,5646.56 3141.73,5644.93 pad.2@3141.73,5616.14
uart1_tx_tp_CH15: pad.2@3141.73,6383.86 U1_CH15.E5 | length 150.2
  Layer7_sig2 w6: v3(3140.11,6415.35) 3140.11,6427.51 3147.64,6435.04 3194.88,6435.04 3220.47,6460.63 v3(3220.47,6472.44)
  Layer8_BOT w6: v3(3140.11,6415.35) 3140.11,6414.27 3141.73,6412.65 pad.2@3141.73,6383.86
uart1_tx_tp_CH16: pad.2@3141.73,7151.57 U1_CH16.E5 | length 150.2
  Layer7_sig2 w6: v3(3140.11,7183.07) 3140.11,7195.23 3147.64,7202.76 3194.88,7202.76 3220.47,7228.35 v3(3220.47,7240.16)
  Layer8_BOT w6: v3(3140.11,7183.07) 3140.11,7181.99 3141.73,7180.37 pad.2@3141.73,7151.57
uart1_tx_tp_CH17: pad.2@3141.73,7919.29 U1_CH17.E5 | length 150.2
  Layer7_sig2 w6: v3(3140.11,7950.79) 3140.11,7962.94 3147.64,7970.47 3194.88,7970.47 3220.47,7996.06 v3(3220.47,8007.87)
  Layer8_BOT w6: v3(3140.11,7950.79) 3140.11,7949.7 3141.73,7948.08 pad.2@3141.73,7919.29
uart1_tx_tp_CH18: pad.2@3141.73,8687.01 U1_CH18.E5 | length 150.2
  Layer7_sig2 w6: v3(3140.11,8718.5) 3140.11,8730.66 3147.64,8738.19 3194.88,8738.19 3220.47,8763.78 v3(3220.47,8775.59)
  Layer8_BOT w6: v3(3140.11,8718.5) 3140.11,8717.42 3141.73,8715.8 pad.2@3141.73,8687.01
uart1_tx_tp_CH19: pad.2@3909.45,4848.43 U1_CH19.E5 | length 150.2
  Layer7_sig2 w6: v3(3907.83,4879.92) 3907.83,4892.08 3915.35,4899.61 3962.6,4899.61 3988.19,4925.2 v3(3988.19,4937.01)
  Layer8_BOT w6: v3(3907.83,4879.92) 3907.83,4878.84 3909.45,4877.22 pad.2@3909.45,4848.43
uart1_tx_tp_CH20: pad.2@3909.45,5616.14 U1_CH20.E5 | length 150.2
  Layer7_sig2 w6: v3(3907.83,5647.64) 3907.83,5659.8 3915.35,5667.32 3962.6,5667.32 3988.19,5692.91 v3(3988.19,5704.72)
  Layer8_BOT w6: v3(3907.83,5647.64) 3907.83,5646.56 3909.45,5644.93 pad.2@3909.45,5616.14
uart1_tx_tp_CH21: pad.2@3909.45,6383.86 U1_CH21.E5 | length 150.2
  Layer7_sig2 w6: v3(3907.83,6415.35) 3907.83,6427.51 3915.35,6435.04 3962.6,6435.04 3988.19,6460.63 v3(3988.19,6472.44)
  Layer8_BOT w6: v3(3907.83,6415.35) 3907.83,6414.27 3909.45,6412.65 pad.2@3909.45,6383.86
uart1_tx_tp_CH22: pad.2@3909.45,7151.57 U1_CH22.E5 | length 150.2
  Layer7_sig2 w6: v3(3907.83,7183.07) 3907.83,7195.23 3915.35,7202.76 3962.6,7202.76 3988.19,7228.35 v3(3988.19,7240.16)
  Layer8_BOT w6: v3(3907.83,7183.07) 3907.83,7181.99 3909.45,7180.37 pad.2@3909.45,7151.57
uart1_tx_tp_CH23: pad.2@3909.45,7919.29 U1_CH23.E5 | length 150.2
  Layer7_sig2 w6: v3(3907.83,7950.79) 3907.83,7962.94 3915.35,7970.47 3962.6,7970.47 3988.19,7996.06 v3(3988.19,8007.87)
  Layer8_BOT w6: v3(3907.83,7950.79) 3907.83,7949.7 3909.45,7948.08 pad.2@3909.45,7919.29
uart1_tx_tp_CH24: pad.2@3909.45,8687.01 U1_CH24.E5 | length 150.2
  Layer7_sig2 w6: v3(3907.83,8718.5) 3907.83,8730.66 3915.35,8738.19 3962.6,8738.19 3988.19,8763.78 v3(3988.19,8775.59)
  Layer8_BOT w6: v3(3907.83,8718.5) 3907.83,8717.42 3909.45,8715.8 pad.2@3909.45,8687.01
VBAT: CN11.33
VIN: CN11.24
pads on no net: Barcode_reader.MP1 Barcode_reader.MP2 CN11.1 CN11.2 CN11.3 CN11.10 CN11.13 CN11.15 CN11.23 CN11.25 CN11.26 CN11.27 CN11.29 CN11.31 CN11.35 CN11.36 CN11.37 CN11.38 CN11.42 CN11.44 CN11.51 CN11.52 CN11.53 CN11.54 CN11.56 CN11.58 CN11.59 CN11.63 CN11.65 CN11.66 CN11.67 CN11.68 CN11.69 CN11.70 CN11.71 CN11.72 CN12.1 CN12.2 CN12.3 CN12.5 CN12.6 CN12.7 CN12.10 CN12.12 CN12.14 CN12.15 CN12.16 CN12.18 CN12.21 CN12.22 CN12.23 CN12.24 CN12.25 CN12.26 CN12.27 CN12.28 CN12.29 CN12.30 CN12.31 CN12.33 CN12.34 CN12.36 CN12.38 CN12.41 CN12.42 CN12.46 CN12.48 CN12.50 CN12.57 CN12.58 CN12.59 CN12.60 CN12.61 CN12.62 CN12.65 CN12.66 CN12.67 CN12.68 CN12.69 CN12.70 CN12.71 CN12.72 J1. UA1_CH1.7 UA1_CH2.7 UA1_CH3.7 UA1_CH4.7 UA1_CH5.7 UA1_CH6.7 UA1_CH7.7 UA1_CH8.7 UA1_CH9.7 UA1_CH10.7 UA1_CH11.7 UA1_CH12.7 UA1_CH13.7 UA1_CH14.7 UA1_CH15.7 UA1_CH16.7 UA1_CH17.7 UA1_CH18.7 UA1_CH19.7 UA1_CH20.7 UA1_CH21.7 UA1_CH22.7 UA1_CH23.7 UA1_CH24.7 UA2_CH1.7 UA2_CH2.7 UA2_CH3.7 UA2_CH4.7 UA2_CH5.7 UA2_CH6.7 UA2_CH7.7 UA2_CH8.7 UA2_CH9.7 UA2_CH10.7 UA2_CH11.7 UA2_CH12.7 UA2_CH13.7 UA2_CH14.7 UA2_CH15.7 UA2_CH16.7 UA2_CH17.7 UA2_CH18.7 UA2_CH19.7 UA2_CH20.7 UA2_CH21.7 UA2_CH22.7 UA2_CH23.7 UA2_CH24.7 UA3_CH1.7 UA3_CH2.7 UA3_CH3.7 UA3_CH4.7 UA3_CH5.7 UA3_CH6.7 UA3_CH7.7 UA3_CH8.7 UA3_CH9.7 UA3_CH10.7 UA3_CH11.7 UA3_CH12.7 UA3_CH13.7 UA3_CH14.7 UA3_CH15.7 UA3_CH16.7 UA3_CH17.7 UA3_CH18.7 UA3_CH19.7 UA3_CH20.7 UA3_CH21.7 UA3_CH22.7 UA3_CH23.7 UA3_CH24.7 UB1_CH1.3 UB1_CH1.6 UB1_CH1.7 UB1_CH1.8 UB1_CH1.12 UB1_CH1.14 UB1_CH2.3 UB1_CH2.6 UB1_CH2.7 UB1_CH2.8 UB1_CH2.12 UB1_CH2.14 UB1_CH3.3 UB1_CH3.6 UB1_CH3.7 UB1_CH3.8 UB1_CH3.12 UB1_CH3.14 UB1_CH4.3 UB1_CH4.6 UB1_CH4.7 UB1_CH4.8 UB1_CH4.12 UB1_CH4.14 UB1_CH5.3 UB1_CH5.6 UB1_CH5.7 UB1_CH5.8 UB1_CH5.12 UB1_CH5.14 UB1_CH6.3 UB1_CH6.6 UB1_CH6.7 UB1_CH6.8 UB1_CH6.12 UB1_CH6.14 UB1_CH7.3 UB1_CH7.6 UB1_CH7.7 UB1_CH7.8 UB1_CH7.12 UB1_CH7.14 UB1_CH8.3 UB1_CH8.6 UB1_CH8.7 UB1_CH8.8 UB1_CH8.12 UB1_CH8.14 UB1_CH9.3 UB1_CH9.6 UB1_CH9.7 UB1_CH9.8 UB1_CH9.12 UB1_CH9.14 UB1_CH10.3 UB1_CH10.6 UB1_CH10.7 UB1_CH10.8 UB1_CH10.12 UB1_CH10.14 UB1_CH11.3 UB1_CH11.6 UB1_CH11.7 UB1_CH11.8 UB1_CH11.12 UB1_CH11.14 UB1_CH12.3 UB1_CH12.6 UB1_CH12.7 UB1_CH12.8 UB1_CH12.12 UB1_CH12.14 UB1_CH13.3 UB1_CH13.6 UB1_CH13.7 UB1_CH13.8 UB1_CH13.12 UB1_CH13.14 UB1_CH14.3 UB1_CH14.6 UB1_CH14.7 UB1_CH14.8 UB1_CH14.12 UB1_CH14.14 UB1_CH15.3 UB1_CH15.6 UB1_CH15.7 UB1_CH15.8 UB1_CH15.12 UB1_CH15.14 UB1_CH16.3 UB1_CH16.6 UB1_CH16.7 UB1_CH16.8 UB1_CH16.12 UB1_CH16.14 UB1_CH17.3 UB1_CH17.6 UB1_CH17.7 UB1_CH17.8 UB1_CH17.12 UB1_CH17.14 UB1_CH18.3 UB1_CH18.6 UB1_CH18.7 UB1_CH18.8 UB1_CH18.12 UB1_CH18.14 UB1_CH19.3 UB1_CH19.6 UB1_CH19.7 UB1_CH19.8 UB1_CH19.12 UB1_CH19.14 UB1_CH20.3 UB1_CH20.6 UB1_CH20.7 UB1_CH20.8 UB1_CH20.12 UB1_CH20.14 UB1_CH21.3 UB1_CH21.6 UB1_CH21.7 UB1_CH21.8 UB1_CH21.12 UB1_CH21.14 UB1_CH22.3 UB1_CH22.6 UB1_CH22.7 UB1_CH22.8 UB1_CH22.12 UB1_CH22.14 UB1_CH23.3 UB1_CH23.6 UB1_CH23.7 UB1_CH23.8 UB1_CH23.12 UB1_CH23.14 UB1_CH24.3 UB1_CH24.6 UB1_CH24.7 UB1_CH24.8 UB1_CH24.12 UB1_CH24.14 UB2_CH1.3 UB2_CH1.6 UB2_CH1.7 UB2_CH1.8 UB2_CH1.12 UB2_CH1.14 UB2_CH2.3 UB2_CH2.6 UB2_CH2.7 UB2_CH2.8 UB2_CH2.12 UB2_CH2.14 UB2_CH3.3 UB2_CH3.6 UB2_CH3.7 UB2_CH3.8 UB2_CH3.12 UB2_CH3.14 UB2_CH4.3 UB2_CH4.6 UB2_CH4.7 UB2_CH4.8 UB2_CH4.12 UB2_CH4.14 UB2_CH5.3 UB2_CH5.6 UB2_CH5.7 UB2_CH5.8 UB2_CH5.12 UB2_CH5.14 UB2_CH6.3 UB2_CH6.6 UB2_CH6.7 UB2_CH6.8 UB2_CH6.12 UB2_CH6.14 UB2_CH7.3 UB2_CH7.6 UB2_CH7.7 UB2_CH7.8 UB2_CH7.12 UB2_CH7.14 UB2_CH8.3 UB2_CH8.6 UB2_CH8.7 UB2_CH8.8 UB2_CH8.12 UB2_CH8.14 UB2_CH9.3 UB2_CH9.6 UB2_CH9.7 UB2_CH9.8 UB2_CH9.12 UB2_CH9.14 UB2_CH10.3 UB2_CH10.6 UB2_CH10.7 UB2_CH10.8 UB2_CH10.12 UB2_CH10.14 UB2_CH11.3 UB2_CH11.6 UB2_CH11.7 UB2_CH11.8 UB2_CH11.12 UB2_CH11.14 UB2_CH12.3 UB2_CH12.6 UB2_CH12.7 UB2_CH12.8 UB2_CH12.12 UB2_CH12.14 UB2_CH13.3 UB2_CH13.6 UB2_CH13.7 UB2_CH13.8 UB2_CH13.12 UB2_CH13.14 UB2_CH14.3 UB2_CH14.6 UB2_CH14.7 UB2_CH14.8 UB2_CH14.12 UB2_CH14.14 UB2_CH15.3 UB2_CH15.6 UB2_CH15.7 UB2_CH15.8 UB2_CH15.12 UB2_CH15.14 UB2_CH16.3 UB2_CH16.6 UB2_CH16.7 UB2_CH16.8 UB2_CH16.12 UB2_CH16.14 UB2_CH17.3 UB2_CH17.6 UB2_CH17.7 UB2_CH17.8 UB2_CH17.12 UB2_CH17.14 UB2_CH18.3 UB2_CH18.6 UB2_CH18.7 UB2_CH18.8 UB2_CH18.12 UB2_CH18.14 UB2_CH19.3 UB2_CH19.6 UB2_CH19.7 UB2_CH19.8 UB2_CH19.12 UB2_CH19.14 UB2_CH20.3 UB2_CH20.6 UB2_CH20.7 UB2_CH20.8 UB2_CH20.12 UB2_CH20.14 UB2_CH21.3 UB2_CH21.6 UB2_CH21.7 UB2_CH21.8 UB2_CH21.12 UB2_CH21.14 UB2_CH22.3 UB2_CH22.6 UB2_CH22.7 UB2_CH22.8 UB2_CH22.12 UB2_CH22.14 UB2_CH23.3 UB2_CH23.6 UB2_CH23.7 UB2_CH23.8 UB2_CH23.12 UB2_CH23.14 UB2_CH24.3 UB2_CH24.6 UB2_CH24.7 UB2_CH24.8 UB2_CH24.12 UB2_CH24.14 UB3_CH1.3 UB3_CH1.6 UB3_CH1.7 UB3_CH1.8 UB3_CH1.12 UB3_CH1.14 UB3_CH2.3 UB3_CH2.6 UB3_CH2.7 UB3_CH2.8 UB3_CH2.12 UB3_CH2.14 UB3_CH3.3 UB3_CH3.6 UB3_CH3.7 UB3_CH3.8 UB3_CH3.12 UB3_CH3.14 UB3_CH4.3 UB3_CH4.6 UB3_CH4.7 UB3_CH4.8 UB3_CH4.12 UB3_CH4.14 UB3_CH5.3 UB3_CH5.6 UB3_CH5.7 UB3_CH5.8 UB3_CH5.12 UB3_CH5.14 UB3_CH6.3 UB3_CH6.6 UB3_CH6.7 UB3_CH6.8 UB3_CH6.12 UB3_CH6.14 UB3_CH7.3 UB3_CH7.6 UB3_CH7.7 UB3_CH7.8 UB3_CH7.12 UB3_CH7.14 UB3_CH8.3 UB3_CH8.6 UB3_CH8.7 UB3_CH8.8 UB3_CH8.12 UB3_CH8.14 UB3_CH9.3 UB3_CH9.6 UB3_CH9.7 UB3_CH9.8 UB3_CH9.12 UB3_CH9.14 UB3_CH10.3 UB3_CH10.6 UB3_CH10.7 UB3_CH10.8 UB3_CH10.12 UB3_CH10.14 UB3_CH11.3 UB3_CH11.6 UB3_CH11.7 UB3_CH11.8 UB3_CH11.12 UB3_CH11.14 UB3_CH12.3 UB3_CH12.6 UB3_CH12.7 UB3_CH12.8 UB3_CH12.12 UB3_CH12.14 UB3_CH13.3 UB3_CH13.6 UB3_CH13.7 UB3_CH13.8 UB3_CH13.12 UB3_CH13.14 UB3_CH14.3 UB3_CH14.6 UB3_CH14.7 UB3_CH14.8 UB3_CH14.12 UB3_CH14.14 UB3_CH15.3 UB3_CH15.6 UB3_CH15.7 UB3_CH15.8 UB3_CH15.12 UB3_CH15.14 UB3_CH16.3 UB3_CH16.6 UB3_CH16.7 UB3_CH16.8 UB3_CH16.12 UB3_CH16.14 UB3_CH17.3 UB3_CH17.6 UB3_CH17.7 UB3_CH17.8 UB3_CH17.12 UB3_CH17.14 UB3_CH18.3 UB3_CH18.6 UB3_CH18.7 UB3_CH18.8 UB3_CH18.12 UB3_CH18.14 UB3_CH19.3 UB3_CH19.6 UB3_CH19.7 UB3_CH19.8 UB3_CH19.12 UB3_CH19.14 UB3_CH20.3 UB3_CH20.6 UB3_CH20.7 UB3_CH20.8 UB3_CH20.12 UB3_CH20.14 UB3_CH21.3 UB3_CH21.6 UB3_CH21.7 UB3_CH21.8 UB3_CH21.12 UB3_CH21.14 UB3_CH22.3 UB3_CH22.6 UB3_CH22.7 UB3_CH22.8 UB3_CH22.12 UB3_CH22.14 UB3_CH23.3 UB3_CH23.6 UB3_CH23.7 UB3_CH23.8 UB3_CH23.12 UB3_CH23.14 UB3_CH24.3 UB3_CH24.6 UB3_CH24.7 UB3_CH24.8 UB3_CH24.12 UB3_CH24.14
copper on no net:
  other v12: 486.22,232.28 486.22,484.25

## Polygon pours and split planes (outlines as drawn)
GND on Layer8_BOT "Bot_GND" (solid, remove dead copper, pour order 3): 0,10165.35 1.97,10163.39 6224.41,10163.39 6224.41,-5.91 6218.5,0 0,0
AVDD on Layer8_BOT "AVDD_bot" (solid, pour order 1): 513.78,1401.57 783.46,1401.57 783.46,1730.31 513.78,1730.32
AVDD_DVDD on Layer8_BOT "DVDD_bot" (solid, pour order 0): 108.27,1419.29 381.89,1419.29 381.89,1732.28 108.27,1732.28
GND on Layer1_Top "Top_GND" (solid, remove dead copper, pour order 2): 0,10165.35 1.97,10163.39 6224.41,10163.39 6224.41,-5.91 6218.5,0 0,0
GND on Layer7_sig2 "GND_L07_P006" (solid, remove dead copper, pour order 6): 0,10165.35 1.97,10163.39 6224.41,10163.39 6224.41,-5.91 6218.5,0 0,0
GND on Layer6_BUS "GND_L06_P005" (solid, remove dead copper, pour order 5): 0,10165.35 1.97,10163.39 6224.41,10163.39 6224.41,-5.91 6218.5,0 0,0
GND on Layer2_sig1 "GND_L02_P004" (solid, remove dead copper, pour order 4): 0,10165.35 1.97,10163.39 6224.41,10163.39 6224.41,-5.91 6218.5,0 0,0
GND on Layer4_GND_PLANE (split plane): 6207.36,15.08 15.08,15.08 15.08,5078.71 15.08,5078.77 15.08,10142.4 6207.36,10142.4
AVDD_DVDD on Layer5_DVDD_PLANE (split plane): 6207.36,15.08 15.08,15.08 15.08,5078.71 15.08,5078.77 15.08,10142.4 6207.36,10142.4
AVDD on Layer3_AVDD_PLANE (split plane): 6207.36,15.08 15.08,15.08 15.08,5078.71 15.08,5078.77 15.08,10142.4 6207.36,10142.4

## Other copper
Layer1_Top:
  text "Mantarray Beta 2.0.0" at 4517.87,165.82 h60
  text "01/31/2021" at 4517.87,49.37 h60

## Silkscreen, mask and mechanical layers (free items; w line width, h text height)
Assembly Notes:
  drawing of 325 lines, arcs and shapes, not listed

## Text inside footprints (layer, text, board x,y; h text height)
U1_CH1: Mechanical 7 "0.114in/2.896mm" at 1486.66,4948.13 h25; Mechanical 7 "0.104in/2.642mm" at 1802.41,5112.63 h25; Mechanical 7 "0.016in/0.4mm" at 1561.66,4979.63 h25; Mechanical 7 "Default Padstyle: EX8.82Y8.82D0TA" at 1967.52,4773.62 h50; Bottom Overlay "6" at 1658.46,5038.39 h10; Bottom Overlay "1" at 1752.95,5039.37 h10; Bottom Overlay "F" at 1788.39,4909.45 h10; Bottom Overlay "A" at 1787.4,5000 h10
U1_CH2: Mechanical 7 "0.114in/2.896mm" at 1486.66,5715.85 h25; Mechanical 7 "0.104in/2.642mm" at 1802.41,5880.35 h25; Mechanical 7 "0.016in/0.4mm" at 1561.66,5747.34 h25; Mechanical 7 "Default Padstyle: EX8.82Y8.82D0TA" at 1967.52,5541.34 h50; Bottom Overlay "6" at 1658.46,5806.1 h10; Bottom Overlay "1" at 1752.95,5807.09 h10; Bottom Overlay "F" at 1788.39,5677.17 h10; Bottom Overlay "A" at 1787.4,5767.72 h10
U1_CH3: Mechanical 7 "0.114in/2.896mm" at 1486.66,6483.56 h25; Mechanical 7 "0.104in/2.642mm" at 1802.41,6648.06 h25; Mechanical 7 "0.016in/0.4mm" at 1561.66,6515.06 h25; Mechanical 7 "Default Padstyle: EX8.82Y8.82D0TA" at 1967.52,6309.06 h50; Bottom Overlay "6" at 1658.46,6573.82 h10; Bottom Overlay "1" at 1752.95,6574.8 h10; Bottom Overlay "F" at 1788.39,6444.88 h10; Bottom Overlay "A" at 1787.4,6535.43 h10
U1_CH4: Mechanical 7 "0.114in/2.896mm" at 1486.66,7251.28 h25; Mechanical 7 "0.104in/2.642mm" at 1802.41,7415.78 h25; Mechanical 7 "0.016in/0.4mm" at 1561.66,7282.78 h25; Mechanical 7 "Default Padstyle: EX8.82Y8.82D0TA" at 1967.52,7076.77 h50; Bottom Overlay "6" at 1658.46,7341.54 h10; Bottom Overlay "1" at 1752.95,7342.52 h10; Bottom Overlay "F" at 1788.39,7212.6 h10; Bottom Overlay "A" at 1787.4,7303.15 h10
U1_CH5: Mechanical 7 "0.114in/2.896mm" at 1486.66,8019 h25; Mechanical 7 "0.104in/2.642mm" at 1802.41,8183.5 h25; Mechanical 7 "0.016in/0.4mm" at 1561.66,8050.49 h25; Mechanical 7 "Default Padstyle: EX8.82Y8.82D0TA" at 1967.52,7844.49 h50; Bottom Overlay "6" at 1658.46,8109.25 h10; Bottom Overlay "1" at 1752.95,8110.24 h10; Bottom Overlay "F" at 1788.39,7980.31 h10; Bottom Overlay "A" at 1787.4,8070.87 h10
U1_CH6: Mechanical 7 "0.114in/2.896mm" at 1486.66,8786.71 h25; Mechanical 7 "0.104in/2.642mm" at 1802.41,8951.21 h25; Mechanical 7 "0.016in/0.4mm" at 1561.66,8818.21 h25; Mechanical 7 "Default Padstyle: EX8.82Y8.82D0TA" at 1967.52,8612.2 h50; Bottom Overlay "6" at 1658.46,8876.97 h10; Bottom Overlay "1" at 1752.95,8877.95 h10; Bottom Overlay "F" at 1788.39,8748.03 h10; Bottom Overlay "A" at 1787.4,8838.58 h10
U1_CH7: Mechanical 7 "0.114in/2.896mm" at 2254.38,4948.13 h25; Mechanical 7 "0.104in/2.642mm" at 2570.13,5112.63 h25; Mechanical 7 "0.016in/0.4mm" at 2329.38,4979.63 h25; Mechanical 7 "Default Padstyle: EX8.82Y8.82D0TA" at 2735.24,4773.62 h50; Bottom Overlay "6" at 2426.18,5038.39 h10; Bottom Overlay "1" at 2520.67,5039.37 h10; Bottom Overlay "F" at 2556.1,4909.45 h10; Bottom Overlay "A" at 2555.12,5000 h10